# Altium PCB STM32F207VC.PcbDoc (part 7 of 16) (continued)
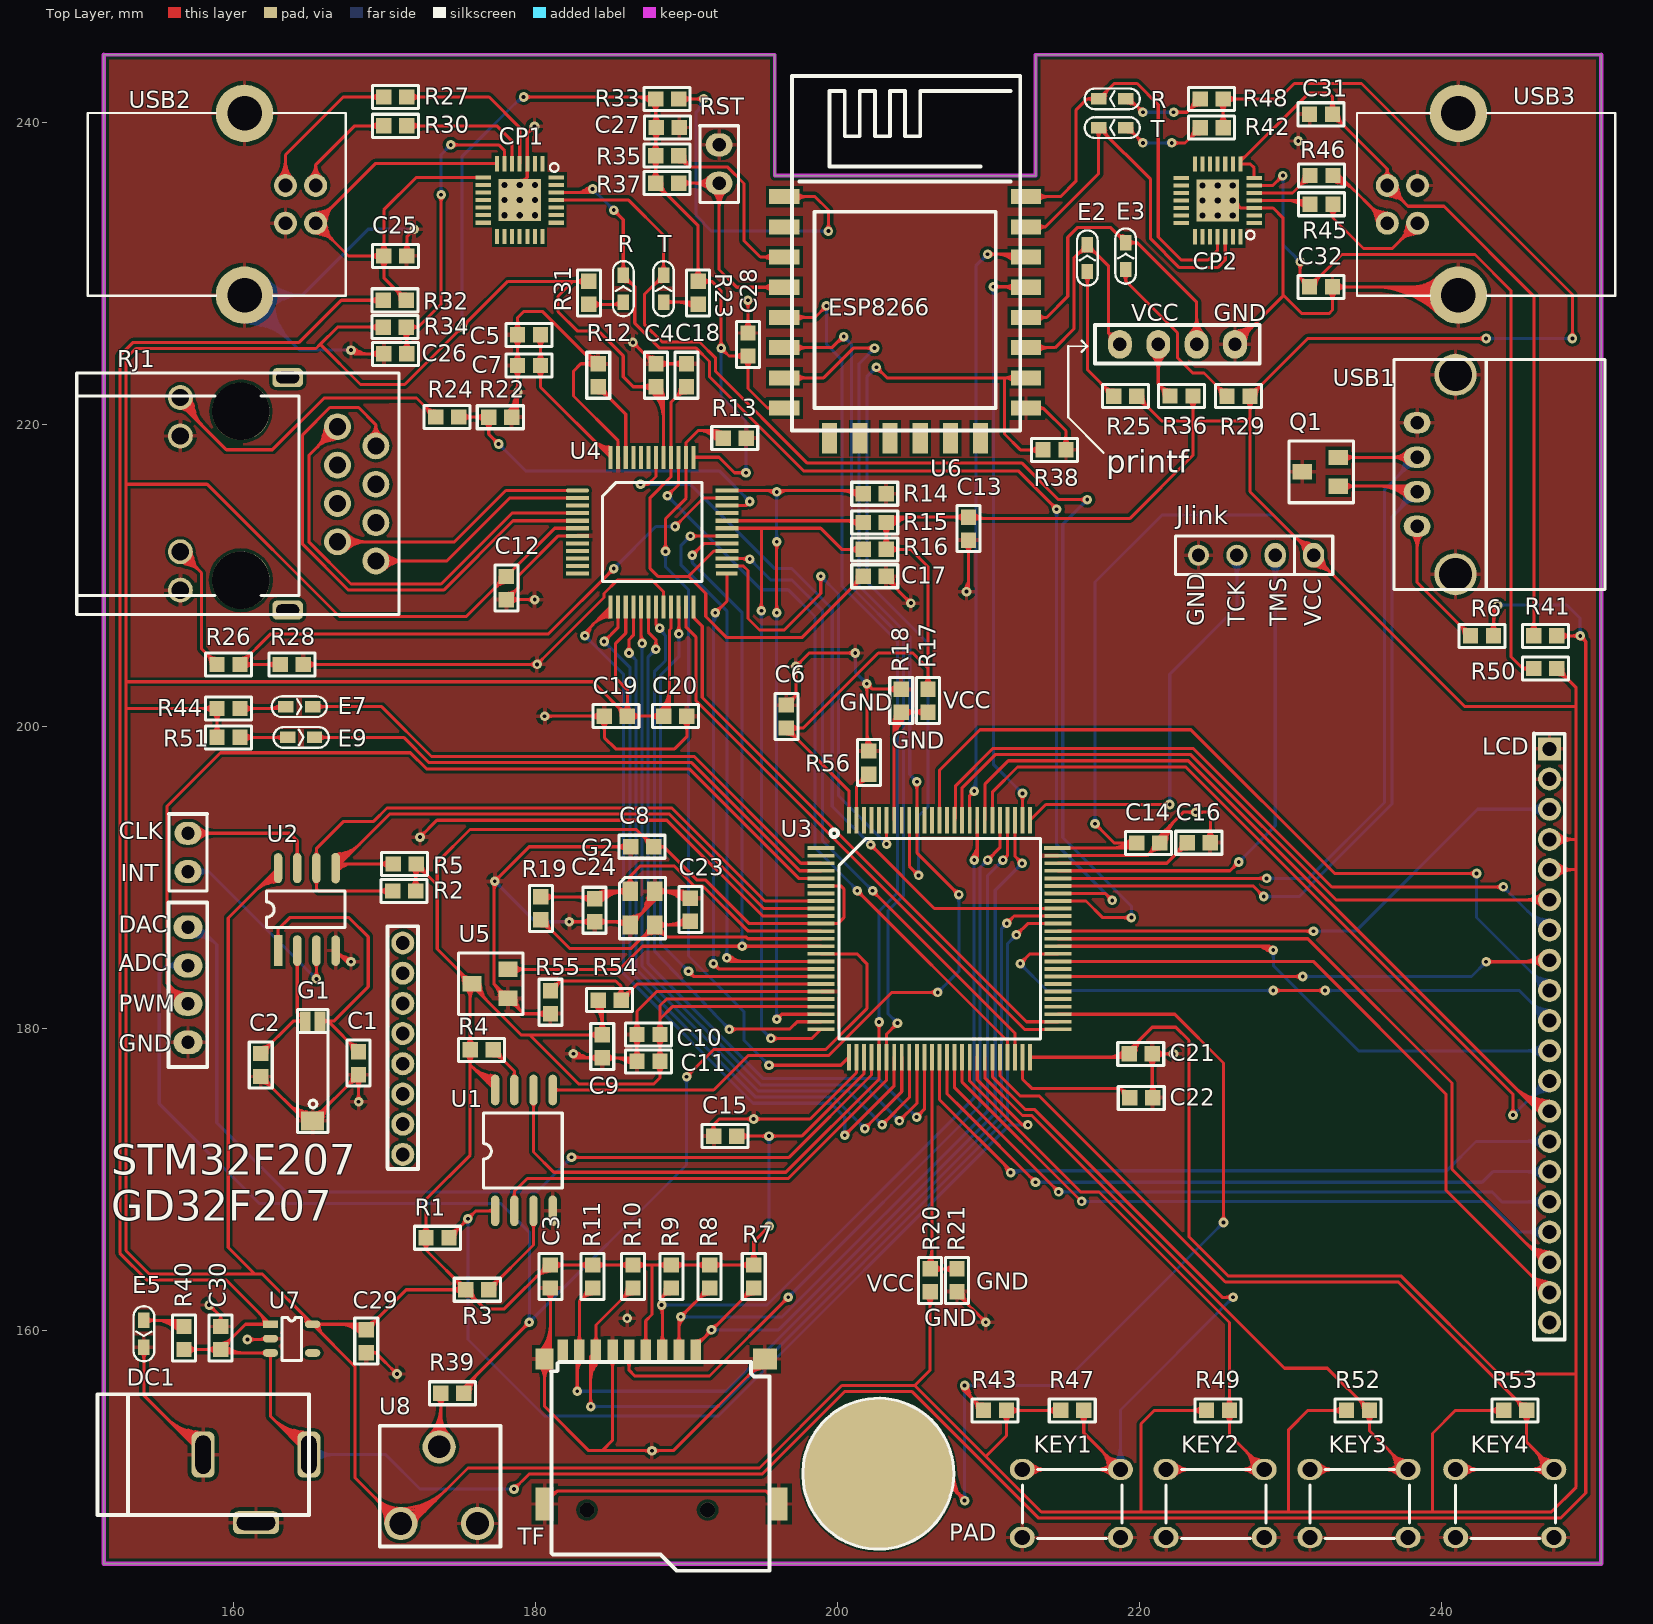
[diagram p0: Top Layer view]
## Nets (pads, with @x,y where several pads share a name; then routed paths per layer and width w, separated by ;. In a path a pad name is that pad's centre, name@x,y a point inside that pad or via, vN(x,y) a via of type N, cw(c..) or ccw(c..) an arc to the next point about the centre after c; other vN are vias at no path point) (continued)
  Bottom Layer w0.203: KEY1.1@218.729,150.774 218.729,154.721 v1(226.187,162.179) ; KEY1.1@218.306,151.197 ccw(c217.284,152.219) 218.729,152.219 ; KEY1.1@218.306,151.197 ccw(c217.284,152.219) 218.729,152.219 ; KEY1.1@218.306,151.197 ccw(c217.284,152.219) 218.729,152.219 ; KEY1.1@218.306,151.197 ccw(c217.284,152.219) 218.729,152.219 ; KEY1.1@218.45,151.054 ccw(c217.775,151.728) 218.729,151.728 ; KEY1.1@218.45,151.054 ccw(c217.775,151.728) 218.729,151.728 ; KEY1.1@218.45,151.054 ccw(c217.775,151.728) 218.729,151.728 ; KEY1.1@218.45,151.054 ccw(c217.775,151.728) 218.729,151.728 ; 218.729,151.728 ccw(c219.683,151.728) KEY1.1@219.008,151.054 ; 218.729,151.728 ccw(c219.683,151.728) KEY1.1@219.008,151.054 ; 218.729,151.728 ccw(c219.683,151.728) KEY1.1@219.008,151.054 ; 218.729,151.728 ccw(c219.683,151.728) KEY1.1@219.008,151.054 ; 218.729,152.219 ccw(c220.174,152.219) KEY1.1@219.152,151.197 ; 218.729,152.219 ccw(c220.174,152.219) KEY1.1@219.152,151.197 ; 218.729,152.219 ccw(c220.174,152.219) KEY1.1@219.152,151.197 ; 218.729,152.219 ccw(c220.174,152.219) KEY1.1@219.152,151.197 ; 225.818,161.81 cw(c226.187,161.442) v1@226.187,161.963 ; 225.818,161.81 ccw(c225.45,162.179) v1@225.971,162.179 ; 225.818,161.81 cw(c226.187,161.442) v1@226.187,161.963 ; 225.818,161.81 ccw(c225.45,162.179) v1@225.971,162.179 ; 225.818,161.81 ccw(c225.45,162.179) v1@225.971,162.179 ; 225.818,161.81 cw(c226.187,161.442) v1@226.187,161.963 ; 225.818,161.81 ccw(c225.45,162.179) v1@225.971,162.179 ; 225.818,161.81 cw(c226.187,161.442) v1@226.187,161.963
KEY2: KEY2.1 KEY2.2 R49.1 U3.42 | length 130.6
  Top Layer w0.203: U3.42@208.745,178.078 208.745,176.507 216.1,169.151 217.31,169.151 225.95,160.511 R49.1@225.95,154.692 225.95,153.078 KEY2.1@228.254,150.774 KEY2.2@221.754,150.774 ; KEY2.2@222.16,150.495 cw(c222.835,149.82) 222.835,150.774 ; KEY2.2@222.16,150.495 cw(c222.835,149.82) 222.835,150.774 ; KEY2.2@222.16,150.495 cw(c222.835,149.82) 222.835,150.774 ; KEY2.2@222.16,150.495 cw(c222.835,149.82) 222.835,150.774 ; KEY2.2@222.16,151.054 ccw(c222.835,151.728) 222.835,150.774 ; KEY2.2@222.16,151.054 ccw(c222.835,151.728) 222.835,150.774 ; KEY2.2@222.16,151.054 ccw(c222.835,151.728) 222.835,150.774 ; KEY2.2@222.16,151.054 ccw(c222.835,151.728) 222.835,150.774 ; KEY2.2@222.304,150.351 cw(c223.326,149.33) 223.326,150.774 ; KEY2.2@222.304,150.351 cw(c223.326,149.33) 223.326,150.774 ; KEY2.2@222.304,150.351 cw(c223.326,149.33) 223.326,150.774 ; KEY2.2@222.304,150.351 cw(c223.326,149.33) 223.326,150.774 ; KEY2.2@222.304,151.197 ccw(c223.326,152.219) 223.326,150.774 ; KEY2.2@222.304,151.197 ccw(c223.326,152.219) 223.326,150.774 ; KEY2.2@222.304,151.197 ccw(c223.326,152.219) 223.326,150.774 ; KEY2.2@222.304,151.197 ccw(c223.326,152.219) 223.326,150.774 ; R49.1@225.663,154.405 cw(c224.969,153.711) 225.95,153.711 ; R49.1@225.663,154.405 cw(c224.969,153.711) 225.95,153.711 ; R49.1@225.663,154.405 cw(c224.969,153.711) 225.95,153.711 ; R49.1@225.663,154.405 cw(c224.969,153.711) 225.95,153.711 ; R49.1@225.663,154.979 ccw(c224.969,155.673) 225.95,155.673 ; R49.1@225.663,154.979 ccw(c224.969,155.673) 225.95,155.673 ; R49.1@225.663,154.979 ccw(c224.969,155.673) 225.95,155.673 ; R49.1@225.663,154.979 ccw(c224.969,155.673) 225.95,155.673 ; 225.95,153.711 cw(c226.932,153.711) R49.1@226.238,154.405 ; 225.95,153.711 cw(c226.932,153.711) R49.1@226.238,154.405 ; 225.95,153.711 cw(c226.932,153.711) R49.1@226.238,154.405 ; 225.95,153.711 cw(c226.932,153.711) R49.1@226.238,154.405 ; 225.95,155.673 ccw(c226.932,155.673) R49.1@226.238,154.979 ; 225.95,155.673 ccw(c226.932,155.673) R49.1@226.238,154.979 ; 225.95,155.673 ccw(c226.932,155.673) R49.1@226.238,154.979 ; 225.95,155.673 ccw(c226.932,155.673) R49.1@226.238,154.979 ; 226.682,150.774 cw(c226.682,149.33) KEY2.1@227.704,150.351 ; 226.682,150.774 ccw(c226.682,152.219) KEY2.1@227.704,151.197 ; 226.682,150.774 cw(c226.682,149.33) KEY2.1@227.704,150.351 ; 226.682,150.774 ccw(c226.682,152.219) KEY2.1@227.704,151.197 ; 226.682,150.774 ccw(c226.682,152.219) KEY2.1@227.704,151.197 ; 226.682,150.774 cw(c226.682,149.33) KEY2.1@227.704,150.351 ; 226.682,150.774 ccw(c226.682,152.219) KEY2.1@227.704,151.197 ; 226.682,150.774 cw(c226.682,149.33) KEY2.1@227.704,150.351 ; 227.016,152.013 cw(c225.777,150.774) KEY2.1@227.529,150.774 ; 227.016,152.013 cw(c225.777,150.774) KEY2.1@227.529,150.774 ; 227.016,152.013 cw(c225.777,150.774) KEY2.1@227.529,150.774 ; 227.016,152.013 cw(c225.777,150.774) KEY2.1@227.529,150.774 ; 227.173,150.774 cw(c227.173,149.82) KEY2.1@227.848,150.495 ; 227.173,150.774 ccw(c227.173,151.728) KEY2.1@227.848,151.054 ; 227.173,150.774 cw(c227.173,149.82) KEY2.1@227.848,150.495 ; 227.173,150.774 ccw(c227.173,151.728) KEY2.1@227.848,151.054 ; 227.173,150.774 ccw(c227.173,151.728) KEY2.1@227.848,151.054 ; 227.173,150.774 cw(c227.173,149.82) KEY2.1@227.848,150.495 ; 227.173,150.774 ccw(c227.173,151.728) KEY2.1@227.848,151.054 ; 227.173,150.774 cw(c227.173,149.82) KEY2.1@227.848,150.495 ; 227.311,151.585 ccw(c228.437,151.886) KEY2.1@228.124,150.764 ; 227.311,151.585 ccw(c228.437,151.886) KEY2.1@228.124,150.764 ; 227.311,151.585 ccw(c228.437,151.886) KEY2.1@228.124,150.764 ; 227.311,151.585 ccw(c228.437,151.886) KEY2.1@228.124,150.764 ; 227.311,151.585 ccw(c228.437,151.886) KEY2.1@228.124,150.764 ; 227.311,151.585 ccw(c228.437,151.886) KEY2.1@228.124,150.764 ; 227.322,151.706 ccw(c228.127,152.511) KEY2.1@228.127,151.373 ; 227.322,151.706 ccw(c228.127,152.511) KEY2.1@228.127,151.373 ; 227.322,151.706 ccw(c228.127,152.511) KEY2.1@228.127,151.373 ; 227.322,151.706 ccw(c228.127,152.511) KEY2.1@228.127,151.373 ; 227.363,151.666 cw(c226.471,150.774) KEY2.1@227.732,150.774 ; 227.363,151.666 cw(c226.471,150.774) KEY2.1@227.732,150.774 ; 227.363,151.666 cw(c226.471,150.774) KEY2.1@227.732,150.774 ; 227.363,151.666 cw(c226.471,150.774) KEY2.1@227.732,150.774 ; 227.404,151.241 ccw(c228.326,151.488) KEY2.1@228.069,150.568 ; 227.404,151.241 ccw(c228.326,151.488) KEY2.1@228.069,150.568 ; 227.404,151.241 ccw(c228.326,151.488) KEY2.1@228.069,150.568 ; 227.404,151.241 ccw(c228.326,151.488) KEY2.1@228.069,150.568 ; 227.404,151.241 ccw(c228.326,151.488) KEY2.1@228.069,150.568 ; 227.404,151.241 ccw(c228.326,151.488) KEY2.1@228.069,150.568 ; 227.464,151.55 cw(c227.227,150.663) KEY2.1@228.138,150.776 ; 227.464,151.55 cw(c227.227,150.663) KEY2.1@228.138,150.776 ; 227.464,151.55 cw(c227.227,150.663) KEY2.1@228.138,150.776 ; 227.464,151.55 cw(c227.227,150.663) KEY2.1@228.138,150.776 ; 227.464,151.55 cw(c227.227,150.663) KEY2.1@228.138,150.776 ; 227.464,151.55 cw(c227.227,150.663) KEY2.1@228.138,150.776 ; 227.544,151.476 ccw(c228.214,151.656) KEY2.1@228.146,150.965 ; 227.544,151.476 ccw(c228.214,151.656) KEY2.1@228.146,150.965 ; 227.544,151.476 ccw(c228.214,151.656) KEY2.1@228.146,150.965 ; 227.544,151.476 ccw(c228.214,151.656) KEY2.1@228.146,150.965 ; 227.544,151.476 ccw(c228.214,151.656) KEY2.1@228.146,150.965 ; 227.544,151.476 ccw(c228.214,151.656) KEY2.1@228.146,150.965 ; 227.669,151.359 ccw(c228.127,151.817) KEY2.1@228.127,151.17 ; 227.669,151.359 ccw(c228.127,151.817) KEY2.1@228.127,151.17 ; 227.669,151.359 ccw(c228.127,151.817) KEY2.1@228.127,151.17 ; 227.669,151.359 ccw(c228.127,151.817) KEY2.1@228.127,151.17 ; 227.756,151.472 cw(c227.549,150.703) KEY2.1@228.34,150.801 ; 227.756,151.472 cw(c227.549,150.703) KEY2.1@228.34,150.801 ; 227.756,151.472 cw(c227.549,150.703) KEY2.1@228.34,150.801 ; 227.756,151.472 cw(c227.549,150.703) KEY2.1@228.34,150.801 ; 227.756,151.472 cw(c227.549,150.703) KEY2.1@228.34,150.801 ; 227.756,151.472 cw(c227.549,150.703) KEY2.1@228.34,150.801
KEY3: KEY3.1 KEY3.2 R52.1 U3.44 | length 144.9
  Top Layer w0.203: U3.44@209.745,178.078 209.745,176.716 212.24,174.221 212.856,174.221 229.597,157.48 232.433,157.48 R52.1@235.221,154.692 ; KEY3.2@231.279,150.774 KEY3.1@237.779,150.774 235.221,153.332 R52.1@235.221,154.692 ; KEY3.2@231.685,150.495 cw(c232.36,149.82) 232.36,150.774 ; KEY3.2@231.685,150.495 cw(c232.36,149.82) 232.36,150.774 ; KEY3.2@231.685,150.495 cw(c232.36,149.82) 232.36,150.774 ; KEY3.2@231.685,150.495 cw(c232.36,149.82) 232.36,150.774 ; KEY3.2@231.685,151.054 ccw(c232.36,151.728) 232.36,150.774 ; KEY3.2@231.685,151.054 ccw(c232.36,151.728) 232.36,150.774 ; KEY3.2@231.685,151.054 ccw(c232.36,151.728) 232.36,150.774 ; KEY3.2@231.685,151.054 ccw(c232.36,151.728) 232.36,150.774 ; KEY3.2@231.829,150.351 cw(c232.851,149.33) 232.851,150.774 ; KEY3.2@231.829,150.351 cw(c232.851,149.33) 232.851,150.774 ; KEY3.2@231.829,150.351 cw(c232.851,149.33) 232.851,150.774 ; KEY3.2@231.829,150.351 cw(c232.851,149.33) 232.851,150.774 ; KEY3.2@231.829,151.197 ccw(c232.851,152.219) 232.851,150.774 ; KEY3.2@231.829,151.197 ccw(c232.851,152.219) 232.851,150.774 ; KEY3.2@231.829,151.197 ccw(c232.851,152.219) 232.851,150.774 ; KEY3.2@231.829,151.197 ccw(c232.851,152.219) 232.851,150.774 ; 234.528,155.386 cw(c233.834,154.692) R52.1@234.815,154.692 ; 234.528,155.386 ccw(c235.221,156.079) R52.1@235.221,155.098 ; 234.528,155.386 cw(c233.834,154.692) R52.1@234.815,154.692 ; 234.528,155.386 ccw(c235.221,156.079) R52.1@235.221,155.098 ; 234.528,155.386 ccw(c235.221,156.079) R52.1@235.221,155.098 ; 234.528,155.386 cw(c233.834,154.692) R52.1@234.815,154.692 ; 234.528,155.386 ccw(c235.221,156.079) R52.1@235.221,155.098 ; 234.528,155.386 cw(c233.834,154.692) R52.1@234.815,154.692 ; 234.678,155.204 ccw(c235.364,155.388) R52.1@235.221,154.692 ; 234.678,155.204 ccw(c235.364,155.388) R52.1@235.221,154.692 ; 234.678,155.204 ccw(c235.364,155.388) R52.1@235.221,154.692 ; 234.678,155.204 ccw(c235.364,155.388) R52.1@235.221,154.692 ; 234.678,155.204 ccw(c235.364,155.388) R52.1@235.221,154.692 ; 234.678,155.204 ccw(c235.364,155.388) R52.1@235.221,154.692 ; 234.709,155.236 cw(c234.526,154.549) R52.1@235.221,154.692 ; 234.709,155.236 cw(c234.526,154.549) R52.1@235.221,154.692 ; 234.709,155.236 cw(c234.526,154.549) R52.1@235.221,154.692 ; 234.709,155.236 cw(c234.526,154.549) R52.1@235.221,154.692 ; 234.709,155.236 cw(c234.526,154.549) R52.1@235.221,154.692 ; 234.709,155.236 cw(c234.526,154.549) R52.1@235.221,154.692 ; R52.1@234.934,154.405 cw(c234.24,153.711) 235.221,153.711 ; R52.1@234.934,154.405 cw(c234.24,153.711) 235.221,153.711 ; R52.1@234.934,154.405 cw(c234.24,153.711) 235.221,153.711 ; R52.1@234.934,154.405 cw(c234.24,153.711) 235.221,153.711 ; 235.221,153.711 cw(c236.203,153.711) R52.1@235.509,154.405 ; 235.221,153.711 cw(c236.203,153.711) R52.1@235.509,154.405 ; 235.221,153.711 cw(c236.203,153.711) R52.1@235.509,154.405 ; 235.221,153.711 cw(c236.203,153.711) R52.1@235.509,154.405 ; 236.207,150.774 cw(c236.207,149.33) KEY3.1@237.229,150.351 ; 236.207,150.774 ccw(c236.207,152.219) KEY3.1@237.229,151.197 ; 236.207,150.774 cw(c236.207,149.33) KEY3.1@237.229,150.351 ; 236.207,150.774 ccw(c236.207,152.219) KEY3.1@237.229,151.197 ; 236.207,150.774 ccw(c236.207,152.219) KEY3.1@237.229,151.197 ; 236.207,150.774 cw(c236.207,149.33) KEY3.1@237.229,150.351 ; 236.207,150.774 ccw(c236.207,152.219) KEY3.1@237.229,151.197 ; 236.207,150.774 cw(c236.207,149.33) KEY3.1@237.229,150.351 ; 236.541,152.013 cw(c235.302,150.774) KEY3.1@237.054,150.774 ; 236.541,152.013 cw(c235.302,150.774) KEY3.1@237.054,150.774 ; 236.541,152.013 cw(c235.302,150.774) KEY3.1@237.054,150.774 ; 236.541,152.013 cw(c235.302,150.774) KEY3.1@237.054,150.774 ; 236.698,150.774 cw(c236.698,149.82) KEY3.1@237.373,150.495 ; 236.698,150.774 ccw(c236.698,151.728) KEY3.1@237.373,151.054 ; 236.698,150.774 cw(c236.698,149.82) KEY3.1@237.373,150.495 ; 236.698,150.774 ccw(c236.698,151.728) KEY3.1@237.373,151.054 ; 236.698,150.774 ccw(c236.698,151.728) KEY3.1@237.373,151.054 ; 236.698,150.774 cw(c236.698,149.82) KEY3.1@237.373,150.495 ; 236.698,150.774 ccw(c236.698,151.728) KEY3.1@237.373,151.054 ; 236.698,150.774 cw(c236.698,149.82) KEY3.1@237.373,150.495 ; 236.836,151.585 ccw(c237.962,151.886) KEY3.1@237.649,150.764 ; 236.836,151.585 ccw(c237.962,151.886) KEY3.1@237.649,150.764 ; 236.836,151.585 ccw(c237.962,151.886) KEY3.1@237.649,150.764 ; 236.836,151.585 ccw(c237.962,151.886) KEY3.1@237.649,150.764 ; 236.836,151.585 ccw(c237.962,151.886) KEY3.1@237.649,150.764 ; 236.836,151.585 ccw(c237.962,151.886) KEY3.1@237.649,150.764 ; 236.847,151.706 ccw(c237.652,152.511) KEY3.1@237.652,151.373 ; 236.847,151.706 ccw(c237.652,152.511) KEY3.1@237.652,151.373 ; 236.847,151.706 ccw(c237.652,152.511) KEY3.1@237.652,151.373 ; 236.847,151.706 ccw(c237.652,152.511) KEY3.1@237.652,151.373 ; 236.888,151.666 cw(c235.996,150.774) KEY3.1@237.257,150.774 ; 236.888,151.666 cw(c235.996,150.774) KEY3.1@237.257,150.774 ; 236.888,151.666 cw(c235.996,150.774) KEY3.1@237.257,150.774 ; 236.888,151.666 cw(c235.996,150.774) KEY3.1@237.257,150.774 ; 236.929,151.241 ccw(c237.851,151.488) KEY3.1@237.594,150.568 ; 236.929,151.241 ccw(c237.851,151.488) KEY3.1@237.594,150.568 ; 236.929,151.241 ccw(c237.851,151.488) KEY3.1@237.594,150.568 ; 236.929,151.241 ccw(c237.851,151.488) KEY3.1@237.594,150.568 ; 236.929,151.241 ccw(c237.851,151.488) KEY3.1@237.594,150.568 ; 236.929,151.241 ccw(c237.851,151.488) KEY3.1@237.594,150.568 ; 236.989,151.55 cw(c236.752,150.663) KEY3.1@237.663,150.776 ; 236.989,151.55 cw(c236.752,150.663) KEY3.1@237.663,150.776 ; 236.989,151.55 cw(c236.752,150.663) KEY3.1@237.663,150.776 ; 236.989,151.55 cw(c236.752,150.663) KEY3.1@237.663,150.776 ; 236.989,151.55 cw(c236.752,150.663) KEY3.1@237.663,150.776 ; 236.989,151.55 cw(c236.752,150.663) KEY3.1@237.663,150.776 ; 237.069,151.476 ccw(c237.739,151.656) KEY3.1@237.671,150.965 ; 237.069,151.476 ccw(c237.739,151.656) KEY3.1@237.671,150.965 ; 237.069,151.476 ccw(c237.739,151.656) KEY3.1@237.671,150.965 ; 237.069,151.476 ccw(c237.739,151.656) KEY3.1@237.671,150.965 ; 237.069,151.476 ccw(c237.739,151.656) KEY3.1@237.671,150.965 ; 237.069,151.476 ccw(c237.739,151.656) KEY3.1@237.671,150.965 ; 237.194,151.359 ccw(c237.652,151.817) KEY3.1@237.652,151.17 ; 237.194,151.359 ccw(c237.652,151.817) KEY3.1@237.652,151.17 ; 237.194,151.359 ccw(c237.652,151.817) KEY3.1@237.652,151.17 ; 237.194,151.359 ccw(c237.652,151.817) KEY3.1@237.652,151.17 ; 237.281,151.472 cw(c237.074,150.703) KEY3.1@237.865,150.801 ; 237.281,151.472 cw(c237.074,150.703) KEY3.1@237.865,150.801 ; 237.281,151.472 cw(c237.074,150.703) KEY3.1@237.865,150.801 ; 237.281,151.472 cw(c237.074,150.703) KEY3.1@237.865,150.801 ; 237.281,151.472 cw(c237.074,150.703) KEY3.1@237.865,150.801 ; 237.281,151.472 cw(c237.074,150.703) KEY3.1@237.865,150.801
KEY4: KEY4.1 KEY4.2 R53.1 U3.46 | length 153.9
  Top Layer w0.203: U3.46@210.745,178.078 210.745,176.866 212.093,175.517 213.357,175.517 225.679,163.195 237.132,163.195 R53.1@245.635,154.692 ; KEY4.2@240.931,150.774 KEY4.1@247.431,150.774 245.635,152.57 R53.1@245.635,154.692 ; KEY4.2@241.337,150.495 cw(c242.012,149.82) 242.012,150.774 ; KEY4.2@241.337,150.495 cw(c242.012,149.82) 242.012,150.774 ; KEY4.2@241.337,150.495 cw(c242.012,149.82) 242.012,150.774 ; KEY4.2@241.337,150.495 cw(c242.012,149.82) 242.012,150.774 ; KEY4.2@241.337,151.054 ccw(c242.012,151.728) 242.012,150.774 ; KEY4.2@241.337,151.054 ccw(c242.012,151.728) 242.012,150.774 ; KEY4.2@241.337,151.054 ccw(c242.012,151.728) 242.012,150.774 ; KEY4.2@241.337,151.054 ccw(c242.012,151.728) 242.012,150.774 ; KEY4.2@241.481,150.351 cw(c242.503,149.33) 242.503,150.774 ; KEY4.2@241.481,150.351 cw(c242.503,149.33) 242.503,150.774 ; KEY4.2@241.481,150.351 cw(c242.503,149.33) 242.503,150.774 ; KEY4.2@241.481,150.351 cw(c242.503,149.33) 242.503,150.774 ; KEY4.2@241.481,151.197 ccw(c242.503,152.219) 242.503,150.774 ; KEY4.2@241.481,151.197 ccw(c242.503,152.219) 242.503,150.774 ; KEY4.2@241.481,151.197 ccw(c242.503,152.219) 242.503,150.774 ; KEY4.2@241.481,151.197 ccw(c242.503,152.219) 242.503,150.774 ; 244.942,155.386 cw(c244.248,154.692) R53.1@245.229,154.692 ; 244.942,155.386 ccw(c245.635,156.079) R53.1@245.635,155.098 ; 244.942,155.386 cw(c244.248,154.692) R53.1@245.229,154.692 ; 244.942,155.386 ccw(c245.635,156.079) R53.1@245.635,155.098 ; 244.942,155.386 ccw(c245.635,156.079) R53.1@245.635,155.098 ; 244.942,155.386 cw(c244.248,154.692) R53.1@245.229,154.692 ; 244.942,155.386 ccw(c245.635,156.079) R53.1@245.635,155.098 ; 244.942,155.386 cw(c244.248,154.692) R53.1@245.229,154.692 ; 245.092,155.204 ccw(c245.778,155.388) R53.1@245.635,154.692 ; 245.092,155.204 ccw(c245.778,155.388) R53.1@245.635,154.692 ; 245.092,155.204 ccw(c245.778,155.388) R53.1@245.635,154.692 ; 245.092,155.204 ccw(c245.778,155.388) R53.1@245.635,154.692 ; 245.092,155.204 ccw(c245.778,155.388) R53.1@245.635,154.692 ; 245.092,155.204 ccw(c245.778,155.388) R53.1@245.635,154.692 ; 245.123,155.236 cw(c244.94,154.549) R53.1@245.635,154.692 ; 245.123,155.236 cw(c244.94,154.549) R53.1@245.635,154.692 ; 245.123,155.236 cw(c244.94,154.549) R53.1@245.635,154.692 ; 245.123,155.236 cw(c244.94,154.549) R53.1@245.635,154.692 ; 245.123,155.236 cw(c244.94,154.549) R53.1@245.635,154.692 ; 245.123,155.236 cw(c244.94,154.549) R53.1@245.635,154.692 ; R53.1@245.348,154.405 cw(c244.654,153.711) 245.635,153.711 ; R53.1@245.348,154.405 cw(c244.654,153.711) 245.635,153.711 ; R53.1@245.348,154.405 cw(c244.654,153.711) 245.635,153.711 ; R53.1@245.348,154.405 cw(c244.654,153.711) 245.635,153.711 ; 245.635,153.711 cw(c246.617,153.711) R53.1@245.923,154.405 ; 245.635,153.711 cw(c246.617,153.711) R53.1@245.923,154.405 ; 245.635,153.711 cw(c246.617,153.711) R53.1@245.923,154.405 ; 245.635,153.711 cw(c246.617,153.711) R53.1@245.923,154.405 ; 245.859,150.774 cw(c245.859,149.33) KEY4.1@246.881,150.351 ; 245.859,150.774 ccw(c245.859,152.219) KEY4.1@246.881,151.197 ; 245.859,150.774 cw(c245.859,149.33) KEY4.1@246.881,150.351 ; 245.859,150.774 ccw(c245.859,152.219) KEY4.1@246.881,151.197 ; 245.859,150.774 ccw(c245.859,152.219) KEY4.1@246.881,151.197 ; 245.859,150.774 cw(c245.859,149.33) KEY4.1@246.881,150.351 ; 245.859,150.774 ccw(c245.859,152.219) KEY4.1@246.881,151.197 ; 245.859,150.774 cw(c245.859,149.33) KEY4.1@246.881,150.351 ; 246.193,152.013 cw(c244.954,150.774) KEY4.1@246.706,150.774 ; 246.193,152.013 cw(c244.954,150.774) KEY4.1@246.706,150.774 ; 246.193,152.013 cw(c244.954,150.774) KEY4.1@246.706,150.774 ; 246.193,152.013 cw(c244.954,150.774) KEY4.1@246.706,150.774 ; 246.35,150.774 cw(c246.35,149.82) KEY4.1@247.025,150.495 ; 246.35,150.774 ccw(c246.35,151.728) KEY4.1@247.025,151.054 ; 246.35,150.774 cw(c246.35,149.82) KEY4.1@247.025,150.495 ; 246.35,150.774 ccw(c246.35,151.728) KEY4.1@247.025,151.054 ; 246.35,150.774 ccw(c246.35,151.728) KEY4.1@247.025,151.054 ; 246.35,150.774 cw(c246.35,149.82) KEY4.1@247.025,150.495 ; 246.35,150.774 ccw(c246.35,151.728) KEY4.1@247.025,151.054 ; 246.35,150.774 cw(c246.35,149.82) KEY4.1@247.025,150.495 ; 246.488,151.585 ccw(c247.614,151.886) KEY4.1@247.301,150.764 ; 246.488,151.585 ccw(c247.614,151.886) KEY4.1@247.301,150.764 ; 246.488,151.585 ccw(c247.614,151.886) KEY4.1@247.301,150.764 ; 246.488,151.585 ccw(c247.614,151.886) KEY4.1@247.301,150.764 ; 246.488,151.585 ccw(c247.614,151.886) KEY4.1@247.301,150.764 ; 246.488,151.585 ccw(c247.614,151.886) KEY4.1@247.301,150.764 ; 246.499,151.706 ccw(c247.304,152.511) KEY4.1@247.304,151.373 ; 246.499,151.706 ccw(c247.304,152.511) KEY4.1@247.304,151.373 ; 246.499,151.706 ccw(c247.304,152.511) KEY4.1@247.304,151.373 ; 246.499,151.706 ccw(c247.304,152.511) KEY4.1@247.304,151.373 ; 246.54,151.666 cw(c245.648,150.774) KEY4.1@246.909,150.774 ; 246.54,151.666 cw(c245.648,150.774) KEY4.1@246.909,150.774 ; 246.54,151.666 cw(c245.648,150.774) KEY4.1@246.909,150.774 ; 246.54,151.666 cw(c245.648,150.774) KEY4.1@246.909,150.774 ; 246.581,151.241 ccw(c247.503,151.488) KEY4.1@247.246,150.568 ; 246.581,151.241 ccw(c247.503,151.488) KEY4.1@247.246,150.568 ; 246.581,151.241 ccw(c247.503,151.488) KEY4.1@247.246,150.568 ; 246.581,151.241 ccw(c247.503,151.488) KEY4.1@247.246,150.568 ; 246.581,151.241 ccw(c247.503,151.488) KEY4.1@247.246,150.568 ; 246.581,151.241 ccw(c247.503,151.488) KEY4.1@247.246,150.568 ; 246.641,151.55 cw(c246.404,150.663) KEY4.1@247.315,150.776 ; 246.641,151.55 cw(c246.404,150.663) KEY4.1@247.315,150.776 ; 246.641,151.55 cw(c246.404,150.663) KEY4.1@247.315,150.776 ; 246.641,151.55 cw(c246.404,150.663) KEY4.1@247.315,150.776 ; 246.641,151.55 cw(c246.404,150.663) KEY4.1@247.315,150.776 ; 246.641,151.55 cw(c246.404,150.663) KEY4.1@247.315,150.776 ; 246.721,151.476 ccw(c247.391,151.656) KEY4.1@247.323,150.965 ; 246.721,151.476 ccw(c247.391,151.656) KEY4.1@247.323,150.965 ; 246.721,151.476 ccw(c247.391,151.656) KEY4.1@247.323,150.965 ; 246.721,151.476 ccw(c247.391,151.656) KEY4.1@247.323,150.965 ; 246.721,151.476 ccw(c247.391,151.656) KEY4.1@247.323,150.965 ; 246.721,151.476 ccw(c247.391,151.656) KEY4.1@247.323,150.965 ; 246.846,151.359 ccw(c247.304,151.817) KEY4.1@247.304,151.17 ; 246.846,151.359 ccw(c247.304,151.817) KEY4.1@247.304,151.17 ; 246.846,151.359 ccw(c247.304,151.817) KEY4.1@247.304,151.17 ; 246.846,151.359 ccw(c247.304,151.817) KEY4.1@247.304,151.17 ; 246.933,151.472 cw(c246.726,150.703) KEY4.1@247.517,150.801 ; 246.933,151.472 cw(c246.726,150.703) KEY4.1@247.517,150.801 ; 246.933,151.472 cw(c246.726,150.703) KEY4.1@247.517,150.801 ; 246.933,151.472 cw(c246.726,150.703) KEY4.1@247.517,150.801 ; 246.933,151.472 cw(c246.726,150.703) KEY4.1@247.517,150.801 ; 246.933,151.472 cw(c246.726,150.703) KEY4.1@247.517,150.801
LCD_8BIT_/CS: LCD.9 U3.88 | length 89.8
  Top Layer w0.203: U3.88@206.745,193.778 206.745,197.093 209.423,199.771 223.393,199.771 232.918,190.246 v1(242.316,190.246) ; 241.795,190.246 cw(c241.795,189.725) v1@242.163,190.093 ; 241.795,190.246 ccw(c241.795,190.767) v1@242.163,190.399 ; 241.795,190.246 cw(c241.795,189.725) v1@242.163,190.093 ; 241.795,190.246 ccw(c241.795,190.767) v1@242.163,190.399 ; 241.795,190.246 ccw(c241.795,190.767) v1@242.163,190.399 ; 241.795,190.246 cw(c241.795,189.725) v1@242.163,190.093 ; 241.795,190.246 ccw(c241.795,190.767) v1@242.163,190.399 ; 241.795,190.246 cw(c241.795,189.725) v1@242.163,190.093
  Bottom Layer w0.203: v1(242.316,190.246) 242.316,187.335 LCD.9@247.147,182.504 ; v1@242.163,190.093 cw(c241.795,189.725) 242.316,189.725 ; v1@242.163,190.093 cw(c241.795,189.725) 242.316,189.725 ; v1@242.163,190.093 cw(c241.795,189.725) 242.316,189.725 ; v1@242.163,190.093 cw(c241.795,189.725) 242.316,189.725 ; 242.316,189.725 cw(c242.837,189.725) v1@242.469,190.093 ; 242.316,189.725 cw(c242.837,189.725) v1@242.469,190.093 ; 242.316,189.725 cw(c242.837,189.725) v1@242.469,190.093 ; 242.316,189.725 cw(c242.837,189.725) v1@242.469,190.093 ; 246.02,183.631 cw(c244.892,182.504) LCD.9@246.487,182.504 ; 246.02,183.631 ccw(c247.147,184.759) LCD.9@247.147,183.164 ; 246.02,183.631 cw(c244.892,182.504) LCD.9@246.487,182.504 ; 246.02,183.631 ccw(c247.147,184.759) LCD.9@247.147,183.164 ; 246.02,183.631 ccw(c247.147,184.759) LCD.9@247.147,183.164 ; 246.02,183.631 cw(c244.892,182.504) LCD.9@246.487,182.504 ; 246.02,183.631 ccw(c247.147,184.759) LCD.9@247.147,183.164 ; 246.02,183.631 cw(c244.892,182.504) LCD.9@246.487,182.504 ; 246.367,183.285 cw(c245.586,182.504) LCD.9@246.69,182.504 ; 246.367,183.285 ccw(c247.147,184.065) LCD.9@247.147,182.961 ; 246.367,183.285 cw(c245.586,182.504) LCD.9@246.69,182.504 ; 246.367,183.285 ccw(c247.147,184.065) LCD.9@247.147,182.961 ; 246.367,183.285 ccw(c247.147,184.065) LCD.9@247.147,182.961 ; 246.367,183.285 cw(c245.586,182.504) LCD.9@246.69,182.504 ; 246.367,183.285 ccw(c247.147,184.065) LCD.9@247.147,182.961 ; 246.367,183.285 cw(c245.586,182.504) LCD.9@246.69,182.504 ; 246.553,183.324 cw(c246.286,182.328) LCD.9@247.296,182.535 ; 246.553,183.324 cw(c246.286,182.328) LCD.9@247.296,182.535 ; 246.553,183.324 cw(c246.286,182.328) LCD.9@247.296,182.535 ; 246.553,183.324 cw(c246.286,182.328) LCD.9@247.296,182.535 ; 246.553,183.324 cw(c246.286,182.328) LCD.9@247.296,182.535 ; 246.553,183.324 cw(c246.286,182.328) LCD.9@247.296,182.535 ; 246.871,183.238 cw(c246.647,182.402) LCD.9@247.495,182.575 ; 246.871,183.238 cw(c246.647,182.402) LCD.9@247.495,182.575 ; 246.871,183.238 cw(c246.647,182.402) LCD.9@247.495,182.575 ; 246.871,183.238 cw(c246.647,182.402) LCD.9@247.495,182.575 ; 246.871,183.238 cw(c246.647,182.402) LCD.9@247.495,182.575 ; 246.871,183.238 cw(c246.647,182.402) LCD.9@247.495,182.575